# Altium PCB FPGAboard.PcbDoc (part 1 of 2)
Units mm, origin at the board's own origin, x right, y up, seen from the top; angles counter-clockwise.
Board outline 90 x 70 mm, 4 copper layers (Top Layer, Ground, 3V3P, Bottom Layer), stack 1.578 mm thick; 131 components, 163 nets, 672 pads, 230 vias.
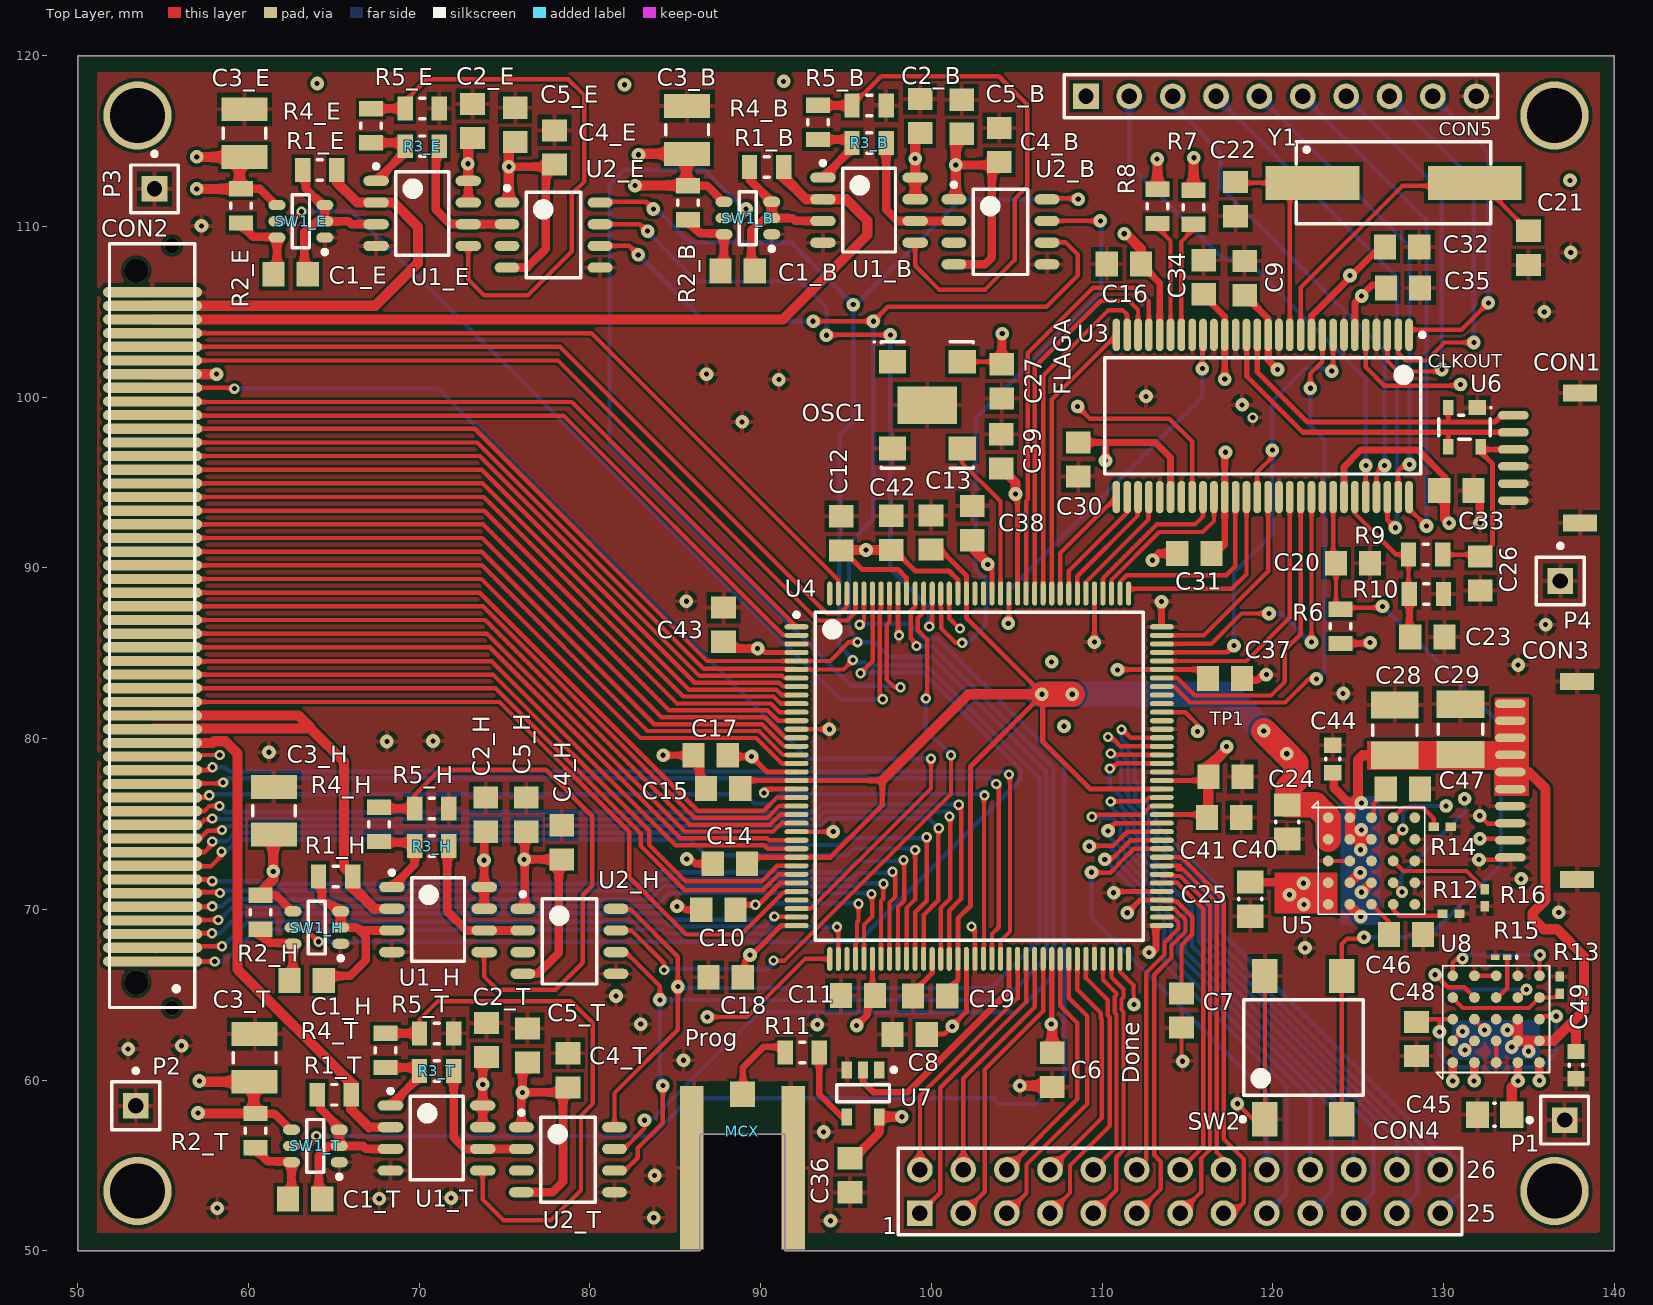
[diagram p0: Top Layer view]
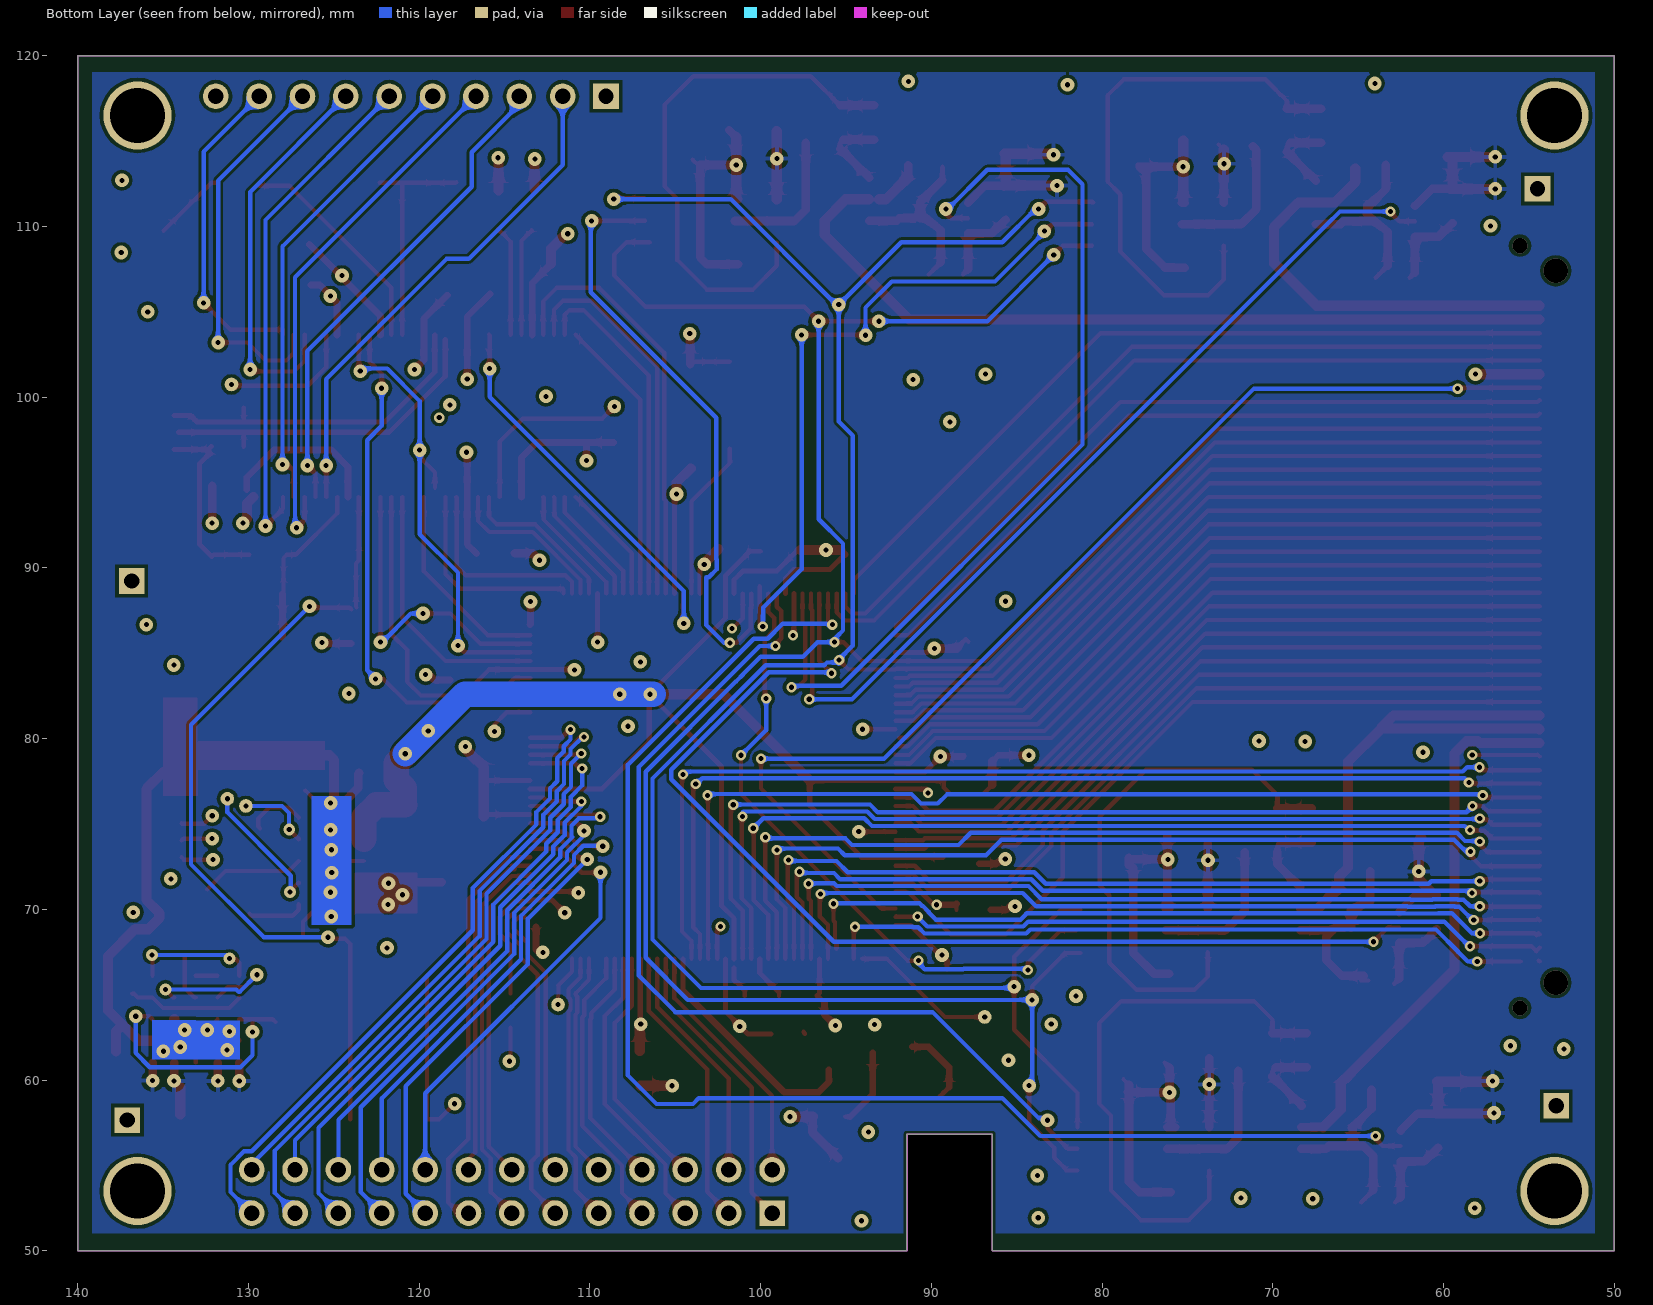
[diagram p1: Bottom Layer view, seen from below]
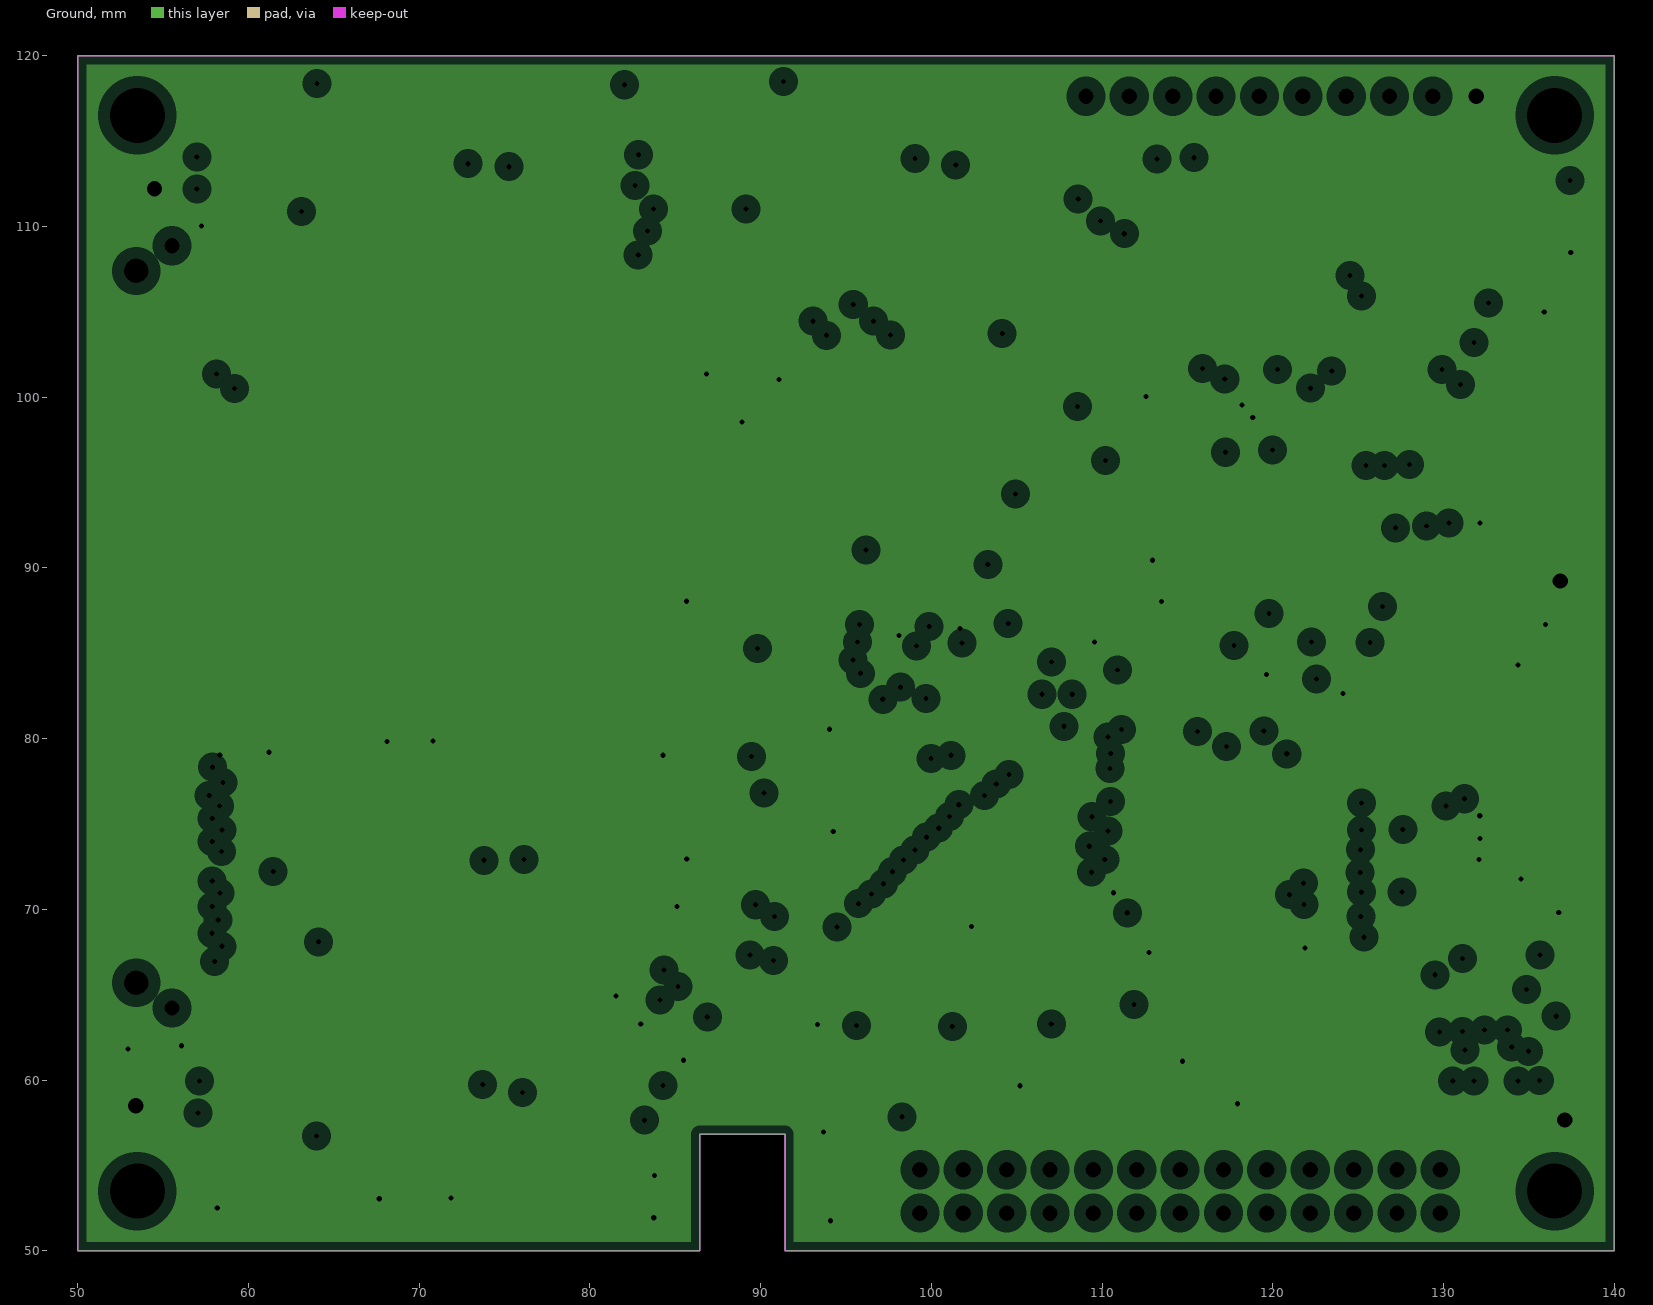
[diagram p2: Ground, clearances drawn from the general rule]
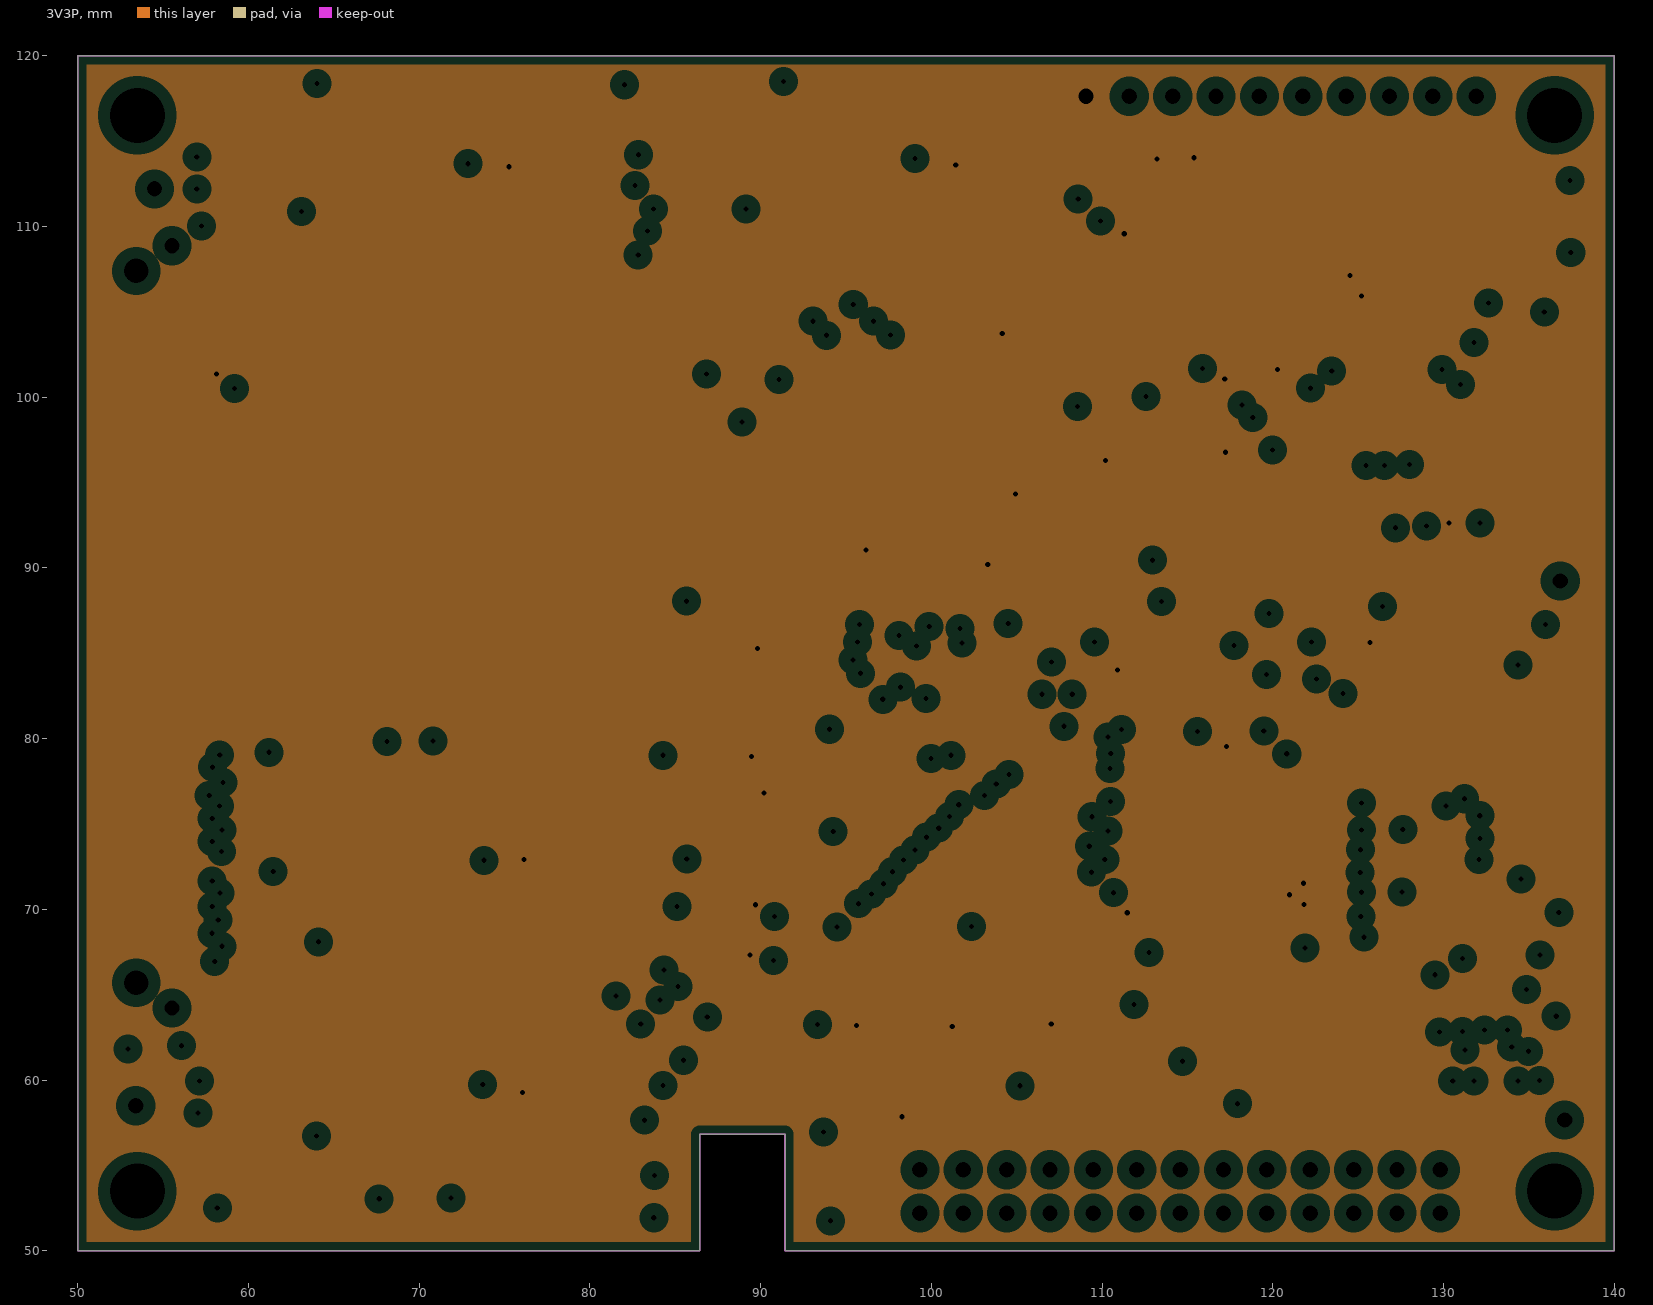
[diagram p3: 3V3P, clearances drawn from the general rule]
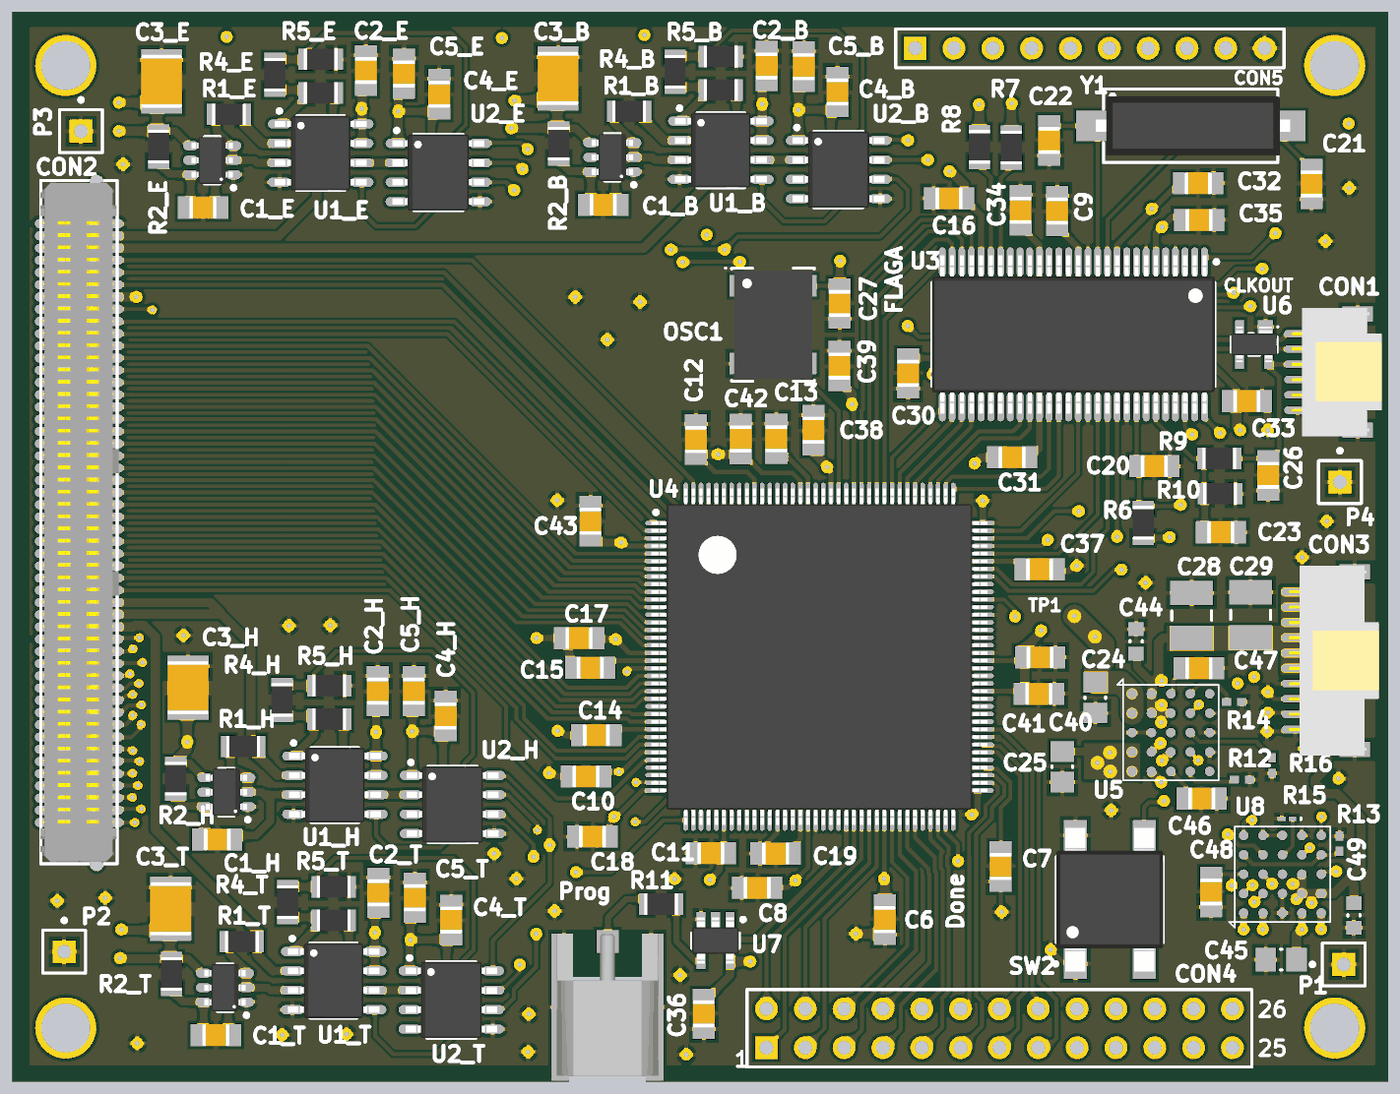
[diagram p5: 3D render of the assembled board from above, using the file's embedded part models]

## Layer stack, top to bottom
Top Solder: solder mask 0.0127, Solder Resist, Dk 3.3
Top Layer: signal copper 0.033
Dielectric Top: dielectric 0.223, FR-4, Dk 4.3
Ground: plane copper 0.033, net GND
Core: dielectric 1, FR-4, Dk 4.3
3V3P: plane copper 0.033, net 3V3P
Dielectric Bottom: dielectric 0.223, FR-4, Dk 4.3
Bottom Layer: signal copper 0.033
Bottom Solder: solder mask 0.0127, Solder Resist, Dk 3.3

## Board outline
50,50 50,120 140,120 140,50 91.431,50 91.431,56.833 86.426,56.833 86.426,50

## Design rules (kind name [scope] priority, off if disabled: settings)
Clearance [All] p1: gap=0.2 ignorepadtopadclearanceinfootprint=FALSE except(0: Arc-Text Arc-Hole Track-Text Track-Hole SMDPad-Text SMDPad-Hole THPad-Text THPad-Hole Via-Text Via-Hole Fill-Text Fill-Hole Poly-Text Poly-Hole Region-Text Region-Hole Text-Text Text-Hole; 0.15: Arc-Arc Arc-Track Arc-SMDPad Arc-Fill Arc-Poly Arc-Region Track-Track Track-SMDPad Track-Fill Track-Poly Track-Region SMDPad-SMDPad)
HoleSize [All] p1: absolutevalues=TRUE maxlimit=10 minlimit=0.025 maxpercent=80.000 minpercent=20.000
MinimumSolderMaskSliver [All] p1 off: minsoldermaskwidth=0.1
PlaneClearance [All] p1: clearance=0.7
PlaneConnect [All] p1: planeconnectstyle=Relief reliefexpansion=0.508 reliefentries=4 reliefconductorwidth=0.254 reliefairgap=0.254
PolygonConnect [All] p1: connectstyle=Relief reliefconductorwidth=0.254 reliefentries=4 polygonreliefangle="90 Angle" airgapwidth=0.254
RoutingVias [All] p1: holewidth=0.3 width=0.8 viastyle="Through Hole" minholewidth=0.3 minwidth=0.6 maxholewidth=0.711 maxwidth=1.27
SilkToSilkClearance [All] p1 off: silktosilkclearance=0.254
SilkToSolderMaskClearance [IsPad] p1 off: minsilkscreentomaskgap=0.254 clearancetoexposedcopper=TRUE
SolderMaskExpansion [All] p1: expansion=0.05 istentingtop=FALSE useseparateexpansions=TRUE expansionbottom=0.05 istentingbottom=FALSE
Width [All] p1: maxlimit=10 minlimit=0.254 preferedwidth=0.254
24 further rules are at their usual default settings.

## Classes and differential pairs
component class E: C1_E C1_EDFA C2_E C2_EDFA C3_E C3_EDFA C4_E C5_E C5_EDFA C?_EDFA R1_E R1_EDFA R2_E R2_EDFA R3_E R3_EDFA R4_E R4_EDFA R5_E R5_EDFA R?_EDFA SW1_E SW?_EDFA U1_E U2_E U?_EDFA
component class FPGAboard: 1 C6 C7 C8 C9 C10 C11 C12 C13 C14 C15 C16 C17 C18 C19 C20 C21 C22 C23 C24 C25 C26 C27 C28 C29 C30 C31 C32 C33 C34 C35 C36 C37 C38 C39 C40 C41 C42 C43 C44 C45 C46 C47 C48 C49 C? CLKO CLKOUT CON1 CON2 CON3 CON4 CON5 Done FLAGA MCX OSC1 P1 P2 P3 P4 P? Prog R6 R7 R8 R9 R10 R11 R12 R13 R14 R15 R16 SW2 TP1 U3 U4 U5 U6 U7 U8 U? Y1
component class H: C1_H C1_HEATER C2_H C2_HEATER C3_H C3_HEATER C4_H C5_H C5_HEATER C?_HEATER R1_H R1_HEATER R2_H R2_HEATER R3_H R3_HEATER R4_H R4_HEATER R5_H R5_HEATER R?_HEATER SW1_H SW?_HEATER U1_H U2_H U?_HEATER
component class B: C1_B C1_LD_BIAS C2_B C2_LD_BIAS C3_B C3_LD_BIAS C4_B C5_B C5_LD_BIAS C?_LD_BIAS R1_B R1_LD_BIAS R2_B R2_LD_BIAS R3_B R3_LD_BIAS R4_B R4_LD_BIAS R5_B R5_LD_BIAS R?_LD_BIAS SW1_B SW?_LD_BIAS U1_B U2_B U?_LD_BIAS
component class T: C1_LD_TEC C1_T C2_LD_TEC C2_T C3_LD_TEC C3_T C4_T C5_LD_TEC C5_T C?_LD_TEC R1_LD_TEC R1_T R2_LD_TEC R2_T R3_LD_TEC R3_T R4_LD_TEC R4_T R5_LD_TEC R5_T R?_LD_TEC SW1_T SW?_LD_TEC U1_T U2_T U?_LD_TEC
channel class Current: B E H T

## Components (designator, comment, footprint, x,y, rotation, side; value= is the part's Value field where it differs from the comment)
C1_B "C0805C106M8RACTU" 0805_X7R_KEMET 88.65,107.39 r0 top (schematic designator C1)
C1_E "C0805C106M8RACTU" 0805_X7R_KEMET 62.475,107.2 r0 top (schematic designator C1)
C1_H "C0805C106M8RACTU" 0805_X7R_KEMET 63.405,65.835 r0 top (schematic designator C1)
C1_T "C0805C106M8RACTU" 0805_X7R_KEMET 63.32,53.04 r0 top (schematic designator C1)
C2_B "C0805C104K5RACTU" 0805_X7R_KEMET 99.344,116.468 r90 top (schematic designator C2)
C2_E "C0805C104K5RACTU" 0805_X7R_KEMET 73.125,116.175 r90 top (schematic designator C2)
C2_H "C0805C104K5RACTU" 0805_X7R_KEMET 73.9,75.55 r90 top (schematic designator C2)
C2_T "C0805C104K5RACTU" 0805_X7R_KEMET 73.95,62.35 r90 top (schematic designator C2)
C3_B "C1210C476M8RAC7800" 1210_X7R_KEMET_ABOVE4.7UF 85.695,115.655 r90 top (schematic designator C3)
C3_E "C1210C476M8RAC7800" 1210_X7R_KEMET_ABOVE4.7UF 59.775,115.465 r90 top (schematic designator C3)
C3_H "C1210C476M8RAC7800" 1210_X7R_KEMET_ABOVE4.7UF 61.5,75.775 r90 top (schematic designator C3)
C3_T "C1210C476M8RAC7800" 1210_X7R_KEMET_ABOVE4.7UF 60.365,61.305 r90 top (schematic designator C3)
C4_B "C0805C106M8RACTU" 0805_X7R_KEMET 103.977,114.77 r90 top (schematic designator C4)
C4_E "C0805C106M8RACTU" 0805_X7R_KEMET 77.925,114.625 r90 top (schematic designator C4)
C4_H "C0805C106M8RACTU" 0805_X7R_KEMET 78.35,73.925 r90 top (schematic designator C4)
C4_T "C0805C106M8RACTU" 0805_X7R_KEMET 78.712,60.569 r90 top (schematic designator C4)
C5_B "C0805C104K5RACTU" 0805_X7R_KEMET 101.775,116.425 r90 top (schematic designator C5)
C5_E "C0805C104K5RACTU" 0805_X7R_KEMET 75.625,115.95 r90 top (schematic designator C5)
C5_H "C0805C104K5RACTU" 0805_X7R_KEMET 76.275,75.55 r90 top (schematic designator C5)
C5_T "C0805C104K5RACTU" 0805_X7R_KEMET 76.341,62.027 r90 top (schematic designator C5)
C6 "C0805C104K5RACTU" 0805_X7R_KEMET 107.075,60.6 r270 top
C7 "C0805C104K5RACTU" 0805_X7R_KEMET 114.649,64.077 r270 top
C8 "C0805C104K5RACTU" 0805_X7R_KEMET 98.725,62.675 r180 top
C9 "C0805C104K5RACTU" 0805_X7R_KEMET 118.35,106.975 r90 top
C10 "C0805C104K5RACTU" 0805_X7R_KEMET 87.525,69.975 r180 top
C11 "C0805C104K5RACTU" 0805_X7R_KEMET 95.7,64.95 r180 top
C12 "C0805C104K5RACTU" 0805_X7R_KEMET 94.725,92.025 r90 top
C13 "C0805C104K5RACTU" 0805_X7R_KEMET 99.975,92.075 r90 top
C14 "C0805C104K5RACTU" 0805_X7R_KEMET 88.2,72.675 r180 top
C15 "C0805C104K5RACTU" 0805_X7R_KEMET 87.805,77.086 r180 top
C16 "C0805C104K5RACTU" 0805_X7R_KEMET 111.275,107.8 r180 top
C17 "C0805C104K5RACTU" 0805_X7R_KEMET 87.075,79.025 r180 top
C18 "C0805C104K5RACTU" 0805_X7R_KEMET 87.95,66.025 r180 top
C19 "C0805C104K5RACTU" 0805_X7R_KEMET 99.925,64.925 r180 top
C20 "C0805C474K5RACTU" 0805_X7R_KEMET 124.7,90.275 r0 top
C21 "C0805C120J5GACTU" 0805_X7R_KEMET 134.975,108.75 r90 top
C22 "C0805C120J5GACTU" 0805_X7R_KEMET 117.821,111.597 r90 top
C23 "C0805C474K5RACTU" 0805_X7R_KEMET 129.05,85.95 r0 top
C24 "47uF 6.3V" CAPC0805(2012)145_M 120.84,75.116 r90 top value=4.7uF
C25 "47uF 6.3V" CAPC0805(2012)145_M 118.679,70.598 r90 top value=4.7uF
C26 "C0805C104K5RACTU" 0805_X7R_KEMET 132.15,89.675 r270 top
C27 "C0805C104K5RACTU" 0805_X7R_KEMET 104.125,100.925 r270 top
C28 "22uF 25V" CAPC1210(3225)220_M 127.142,80.499 r270 top value=22uF
C29 "22uF 25V" CAPC1210(3225)220_M 130.997,80.544 r270 top value=22uF
C30 "C0805C104K5RACTU" 0805_X7R_KEMET 108.6,96.35 r270 top
C31 "C0805C104K5RACTU" 0805_X7R_KEMET 115.4,90.85 r180 top
C32 "C0805C104K5RACTU" 0805_X7R_KEMET 127.575,108.8 r0 top
C33 "C0805C104K5RACTU" 0805_X7R_KEMET 130.75,94.533 r0 top
C34 "C0805C104K5RACTU" 0805_X7R_KEMET 115.95,107.025 r90 top
C35 "C0805C104K5RACTU" 0805_X7R_KEMET 127.627,106.391 r0 top
C36 "C0805C104K5RACTU" 0805_X7R_KEMET 95.241,54.425 r270 top
C37 "C0805C104K5RACTU" 0805_X7R_KEMET 117.2,83.525 r0 top
C38 "C0805C104K5RACTU" 0805_X7R_KEMET 102.4,92.625 r90 top
C39 "C0805C104K5RACTU" 0805_X7R_KEMET 104.1,96.825 r90 top
C40 "C0805C104K5RACTU" 0805_X7R_KEMET 117.225,77.77 r0 top
C41 "C0805C104K5RACTU" 0805_X7R_KEMET 117.15,75.375 r0 top
C42 "C0805C104K5RACTU" 0805_X7R_KEMET 97.65,92.05 r90 top
C43 "C0805C104K5RACTU" 0805_X7R_KEMET 87.825,86.675 r90 top
C44 "4.7uF 25V" CAPC0603(1608)100_N 123.509,78.809 r270 top value=75pF
C45 "47uF 6.3V" CAPC0805(2012)145_M 132.994,57.981 r0 top value=4.7uF
C46 "C0805C104K5RACTU" 0805_X7R_KEMET 127.801,68.523 r0 top
C47 "C0805C104K5RACTU" 0805_X7R_KEMET 127.615,77.05 r0 top
C48 "C0805C104K5RACTU" 0805_X7R_KEMET 128.419,62.405 r270 top
C49 "4.7uF 25V" CAPC0603(1608)100_N 137.756,60.871 r90 top value=75pF
CLKOUT "TP" TP 130.994,100.744 r90 top
CON1 "T1M-06-F-SH-L-K" T1M-06-F-SH-L-K 134.092,93.942 r90 top
CON2 "SAMTEC_LSEM_V_50" LSEM-150-XX.X-X-DV-A-X-XX-TR 54.375,78.55 r180 top
CON3 "T1M-10-F-SH-L-K" T1M-10-F-SH-L-K 133.912,82.045 r90 top
CON4 "Header 13X2" HDR2X13 99.33,52.21 r0 top
CON5 "Header 10" HDR1X10 109.055,117.625 r0 top
Done "TP" TP 111.865,64.424 r90 top
FLAGA "TP" TP 108.567,99.459 r90 top
MCX "0734151061" MCX 88.933,59.115 r270 top
OSC1 "ASVMB-100.000MHZ-XY-T" ASVMB-100.000MHZ-XY-T 99.76,99.535 r0 top
P1 "Plug" PIN1 137.09,57.659 r90 top
P2 "Plug" PIN1 53.398,58.492 r0 top
P3 "Plug" PIN1 54.496,112.199 r0 top
P4 "Plug" PIN1 136.842,89.234 r0 top
Prog "TP" TP 86.875,63.7 r90 top
R1_B "WSLP0805R0100FEB" CRCW0805_VISHAY 90.35,113.49 r0 top (schematic designator R1)
R1_E "WSLP0805R0100FEB" CRCW0805_VISHAY 64.175,113.3 r0 top (schematic designator R1)
R1_H "WSLP0805R0100FEB" CRCW0805_VISHAY 65.105,71.935 r0 top (schematic designator R1)
R1_T "WSLP0805R0100FEB" CRCW0805_VISHAY 65.02,59.14 r0 top (schematic designator R1)
R2_B "CRCW0805127KFKEA" CRCW0805_VISHAY 85.75,111.39 r270 top (schematic designator R2)
R2_E "CRCW0805127KFKEA" CRCW0805_VISHAY 59.575,111.2 r270 top (schematic designator R2)
R2_H "CRCW0805127KFKEA" CRCW0805_VISHAY 60.7,69.825 r270 top (schematic designator R2)
R2_T "CRCW0805127KFKEA" CRCW0805_VISHAY 60.42,57.04 r270 top (schematic designator R2)
R3_B "CRCW080510K0FKEA_" CRCW0805_VISHAY 96.35,114.89 r180 top (schematic designator R3)
R3_E "CRCW080510K0FKEA_" CRCW0805_VISHAY 70.175,114.7 r180 top (schematic designator R3)
R3_H "CRCW080510K0FKEA_" CRCW0805_VISHAY 70.73,73.71 r180 top (schematic designator R3)
R3_T "CRCW080510K0FKEA_" CRCW0805_VISHAY 71.02,60.54 r180 top (schematic designator R3)
R4_B "CRCW0805100RDHEAP" CRCW0805_VISHAY 93.35,116.09 r90 top (schematic designator R4)
R4_E "CRCW0805100RDHEAP" CRCW0805_VISHAY 67.175,115.9 r90 top (schematic designator R4)
R4_H "CRCW0805100RDHEAP" CRCW0805_VISHAY 67.65,74.975 r90 top (schematic designator R4)
R4_T "CRCW0805100RDHEAP" CRCW0805_VISHAY 68.02,61.74 r90 top (schematic designator R4)
R5_B "CRCW08050000Z0EA" CRCW0805_VISHAY 96.35,117.09 r0 top (schematic designator R5)
R5_E "CRCW08050000Z0EA" CRCW0805_VISHAY 70.175,116.9 r0 top (schematic designator R5)
R5_H "CRCW08050000Z0EA" CRCW0805_VISHAY 70.73,75.91 r0 top (schematic designator R5)
R5_T "CRCW08050000Z0EA" CRCW0805_VISHAY 71.02,62.74 r0 top (schematic designator R5)
R6 "CRCW080510K0FKEA_" CRCW0805_VISHAY 123.975,86.575 r90 top
R7 "CRCW08052K20FKEA" CRCW0805_VISHAY 115.35,111.125 r270 top
R8 "CRCW08052K20FKEA" CRCW0805_VISHAY 113.25,111.175 r270 top
R9 "CRCW080510K0FKEA_" CRCW0805_VISHAY 128.95,90.775 r180 top
R10 "CRCW080510K0FKEA_" CRCW0805_VISHAY 129,88.475 r0 top
R11 "CRCW08050000Z0EA" CRCW0805_VISHAY 92.436,61.614 r180 top
R12 "13K3 0.1%" 0402 130.439,69.751 r0 top
R13 "8K25 0.1%" 0402 136.801,65.562 r90 top
R14 "60K4 0.1%" 0402 129.926,74.846 r0 top
R15 "215K 0.1%" 0603 133.387,67.199 r180 top
R16 "DNP" 0402 132.407,70.678 r270 top
SW1_B "TPS27082LDDCR" TPS27082L 89.25,110.49 r180 top (schematic designator SW1)
SW1_E "TPS27082LDDCR" TPS27082L 63.075,110.3 r180 top (schematic designator SW1)
SW1_H "TPS27082LDDCR" TPS27082L 64.005,68.935 r180 top (schematic designator SW1)
SW1_T "TPS27082LDDCR" TPS27082L 63.92,56.14 r180 top (schematic designator SW1)
SW2 "PTS645SM43SMTR92 LFS" "PTS645SM43SMTR92 LFS" 121.788,61.904 r90 top
TP1 "TP" TP 115.592,80.429 r90 top
U1_B "MCP6N11-010E/SN" MCP6N11 96.35,110.955 r0 top (schematic designator U1)
U1_E "MCP6N11-010E/SN" MCP6N11 70.175,110.765 r0 top (schematic designator U1)
U1_H "MCP6N11-010E/SN" MCP6N11 71.105,69.4 r0 top (schematic designator U1)
U1_T "MCP6N11-010E/SN" MCP6N11 71.02,56.605 r0 top (schematic designator U1)
U2_B "MAX1240CESA+" MAX1240CESA+ 104.045,109.685 r0 top (schematic designator U2)
U2_E "MAX1240CESA+" MAX1240CESA+ 77.87,109.495 r0 top (schematic designator U2)
U2_H "MAX1240CESA+" MAX1240CESA+ 78.8,68.13 r0 top (schematic designator U2)
U2_T "MAX1240CESA+" MAX1240CESA+ 78.715,55.335 r0 top (schematic designator U2)
U3 "CY7C68014A-56PVXC" SSOP-56 119.408,98.9 r270 top
U4 "XC6SLX9-3TQG144I" TQG144 102.8,77.8 r0 top
U5 "LTM4622IV#PBF" "LGA 25" 125.781,72.836 r270 top
U6 "PRTR5V0U2X,215" SOT143B 131.226,98.243 r270 top
U7 "SN74LVC1G04QDBVRQ1" SN74LVC1G04-Q1 96,59.225 r270 top
U8 "LTM4622IV#PBF" "LGA 25" 133.08,63.568 r0 top
Y1 "24MHz XTAL" "HC-49S SMD 9C SERIES" 127.075,112.55 r0 top
